# Altium PCB openmv-ae3.PcbDoc (part 4 of 7)
Units mil, origin at the board's own origin, x right, y up, seen from the top; angles counter-clockwise.
Board outline 1001 x 1001 mil, 8 copper layers (TOP, ART2, GND3, ART4, VCC5, GND6, ART7, BOTTOM), stack 65.6 mil thick; 246 components, 168 nets, 1013 pads, 1766 vias.
Unrouted connection lines stored in the file: 233.
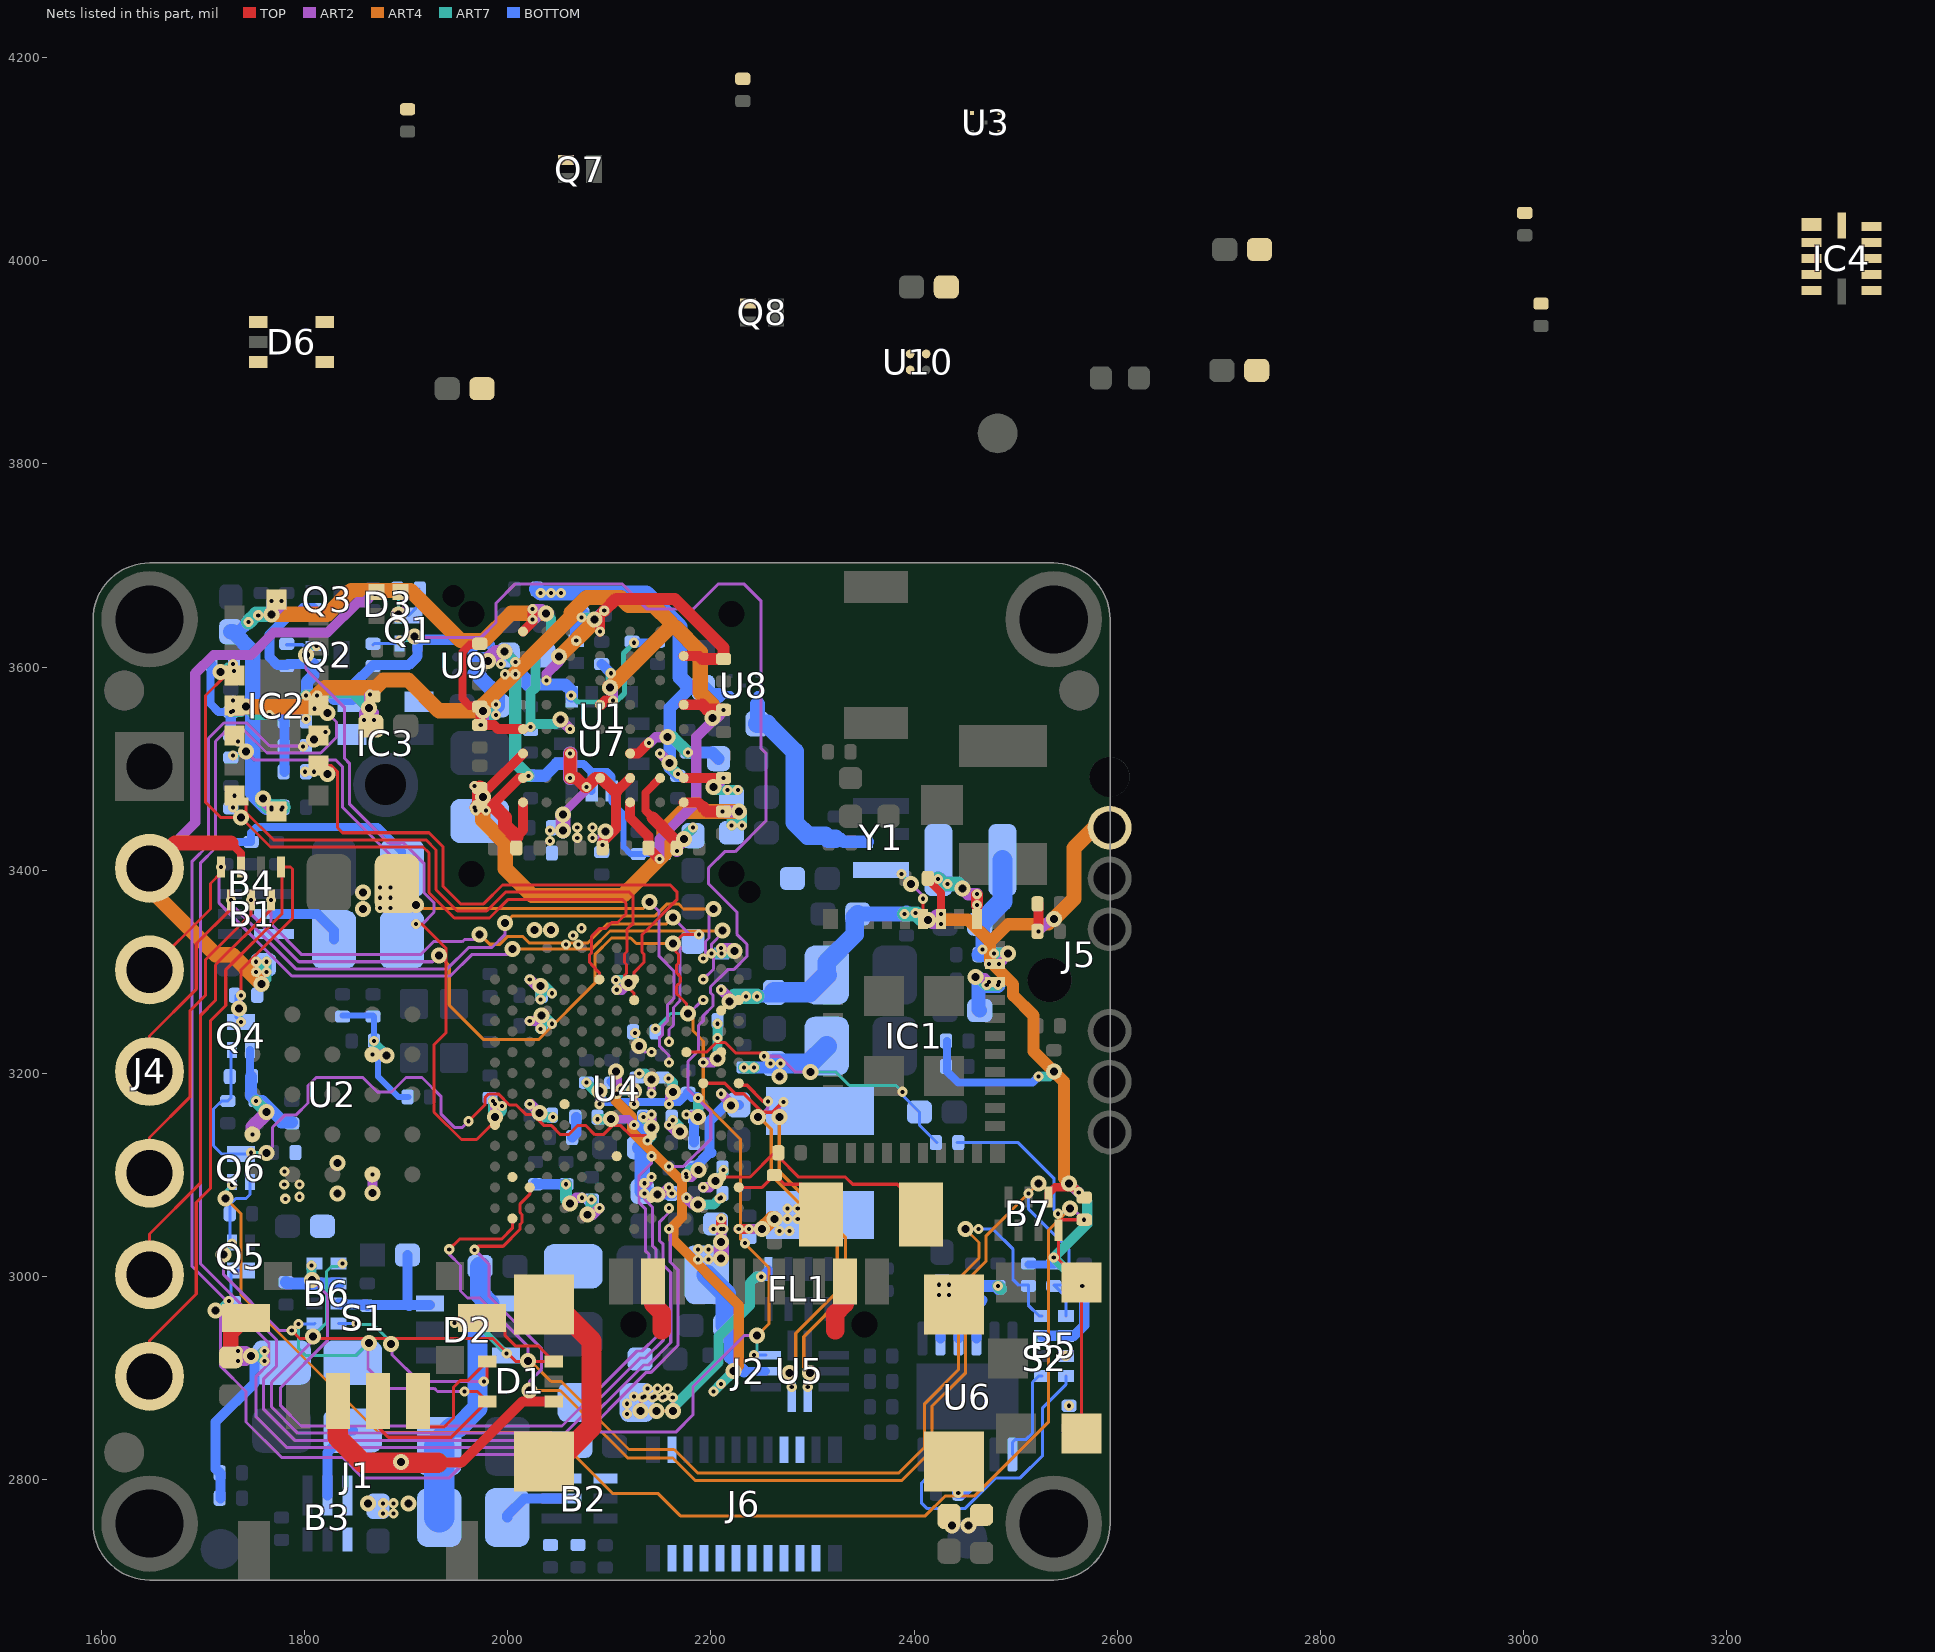
[diagram p10: the nets of this part, all layers, seen from the top]

## Via types
v1: diameter 10, hole 4, TOP to ART2, tented both sides, 779 vias
v2: diameter 10, hole 4, ART7 to BOTTOM, tented both sides, 590 vias
v3: diameter 15.75, hole 7.87, ART2 to ART7, 342 vias
v4: diameter 10, hole 4, ART7 to BOTTOM, tented bottom, 41 vias
v5: diameter 15.75, hole 7.87, TOP to BOTTOM, tented both sides, 13 vias
v6: diameter 10, hole 4, TOP to BOTTOM, tented both sides, 1 vias

## Nets (pads, with @x,y where several pads share a name; then routed paths per layer and width w, separated by ;. In a path a pad name is that pad's centre, name@x,y a point inside that pad or via, vN(x,y) a via of type N, cw(c..) or ccw(c..) an arc to the next point about the centre after c; other vN are vias at no path point) (continued)
LED_G_INT: Q2.2 R45.1 U4.A11 | length 660.1
  TOP w3: v1(1909.8,3346.98) 1909.87,3346.91 1915.58,3346.91 1939.44,3323.05 1939.44,3240.23 1927.44,3228.23 1927.44,3161.91 1954.44,3134.91 1969.44,3134.91 1983.8,3149.27 U4.A11@1987.44,3149.27
  ART2 w3: v3(1801.44,3611.91) 1801.44,3597.91 1839.44,3559.91 1839.44,3509.91 1844.44,3504.91 1844.44,3464.91 1882.44,3426.91 1897.44,3426.91 1917.44,3406.91 1917.44,3378.01 1927.44,3368.01 1927.44,3358.67 1915.75,3346.98 v1(1909.8,3346.98)
  ART7 w3: v3(1801.44,3611.91) 1810.3,3620.77 v2(1811.66,3620.77)
  BOTTOM w3: R45.1@1782.44,3621.91 1798.14,3621.91 1799.28,3620.77 Q2.2@1808.66,3620.77
LED_R: Q1.3 R43.1 | length 30.4
  BOTTOM w3: Q1.3@1902.44,3650.69 1912.44,3660.69 R43.1@1912.44,3676.91
LED_R_D: D3.3 R43.2 | length 44.1
  ART2 w3: v3(1892.44,3651.91) 1897.44,3656.91 v1(1897.44,3671.91)
  ART7 w3: v3(1892.44,3651.91) v2(1892.44,3673.91)
LED_R_INT: Q1.2 R44.1 U4.L7 | length 1113
  ART2 w3: v3(1908.44,3629.91) 1910.44,3629.91 1911.44,3628.91 1973.44,3628.91 1988.44,3643.91 1988.44,3662.91 2007.44,3681.91 2112.44,3681.91 2137.44,3656.91 2182.44,3656.91 2207.44,3681.91 2232.44,3681.91 2249.06,3665.29 2249.06,3520.29 2254.06,3515.29 2254.06,3448.53 2223.82,3418.29 2213.51,3418.29 2198.07,3402.85 2197.44,3401.91 2197.44,3386.91 2225.44,3358.91 2225.44,3337.06 2235.41,3327.09 2235.41,3315.19 2222.36,3302.14 2216.44,3302.14 2199.58,3285.28 2199.58,3279.4 2201.96,3277.02 2201.96,3266.43 2192.44,3256.91 2192.44,3251.91 2187.82,3247.29 2187.82,3222.29 2177.44,3211.91 2177.44,3184.42 2199.82,3162.04 2199.82,3135.29 2172.86,3108.33 v1(2158.7,3108.33)
  ART7 w3: v2(1893.58,3626.13) 1902.66,3626.13 1906.44,3629.91 v3(1908.44,3629.91)
  BOTTOM w3: R44.1@1867.44,3621.91 1868.66,3623.13 Q1.2@1893.58,3623.13
LFXO_N: C35.1 U4.P6 Y2.1 | length 238
  TOP w3: U4.P6@2210.08,3098.09 2238.62,3098.09 2262.44,3121.91 C35.1@2266.44,3121.91 2266.44,3117.91 2286.44,3097.91 2332.44,3097.91 2339.44,3090.91 2383.45,3090.91 2406.65,3067.71 Y2.1@2406.65,3060.91
LFXO_P: C34.1 U4.R5 Y2.2 | length 108
  TOP w3: U4.R5@2227.36,3087.92 2250.45,3087.92 C34.1@2262.44,3099.91 2263.44,3099.91 2272.44,3090.91 2288.43,3090.91 2308.23,3071.11 Y2.2@2308.23,3060.91
LPO_IN: IC1.37 Y1.3 | length 53
  TOP w3: IC1.37@2408.8,3352.07 v1(2408.8,3371.91)
  ART2 w3: v3(2397.12,3386.59) 2408.8,3374.91 v1(2408.8,3371.91)
  ART7 w3: v2(2387.44,3396.27) v3(2397.12,3386.59)
MIPI_R: R39.2 U4.J13 | length 38.9
  ART2 w8: v1(2124.45,3169.74) v3(2124.45,3182.9)
  ART7 w10: v2(2110.94,3184.91) 2112.95,3182.9 v3(2124.45,3182.9)
  BOTTOM w10: R39.2@2102.44,3191.91 2109.44,3184.91 v2(2110.94,3184.91)
P0: B4.7 IC4.7 J4.6 J6.2 | length 1013.3
  TOP w3: J4.6@1647.44,3001.91 1647.44,3041.91 1697.44,3091.91 1697.44,3256.91 1712.44,3271.91 1712.44,3306.91 1767.12,3361.59 v1(1767.12,3370.57) ; 2175.83,3261.87 2175.83,3268.9 2170.01,3274.72 2166.33,3278.41 2166.33,3286.28 2170.01,3289.96 2170.01,3294.71 2168.2,3296.52 2168.2,3297.01 2166.33,3298.88 2166.33,3306.75 2168.2,3308.62 2168.2,3316.99 2165.7,3319.49 2165.7,3330.16 2172.34,3336.8 v1(2188.18,3336.8)
  ART2 w3: v1(1767.12,3370.57) 1767.12,3347.03 1797.24,3316.91 1914.14,3316.91 1926.9,3329.67 1955.2,3329.67 1957.44,3331.91 1967.44,3331.91 v3(1972.44,3336.91) ; v3(2162.44,3353.55) 2179.19,3336.8 v1(2188.18,3336.8)
  ART4 w3: v3(1972.44,3336.91) 1982.18,3327.17 1992.18,3327.17 1999.92,3334.91 2014.44,3334.91 2021.05,3328.3 2078.81,3328.3 2097.68,3347.17 2156.06,3347.17 v3(2162.44,3353.55)
P0_INT: IC4.2 U4.E13
P1: B4.6 IC4.8 J4.5 J6.4 | length 984.7
  TOP w3: J4.5@1647.44,3101.91 1647.44,3136.91 1687.44,3176.91 1687.44,3261.91 1702.44,3276.91 1702.44,3311.91 1747.44,3356.91 v1(1747.44,3370.57)
  ART2 w3: v1(1747.44,3370.57) 1747.44,3356.81 1794.34,3309.91 1926.06,3309.91 v3(1932.44,3316.29) ; v1(2158.7,3231.16) 2158.7,3243.17 2163.07,3247.54 2163.07,3264.93 2169.44,3271.3 2169.44,3324.79 2166.44,3327.79 v3(2162.44,3327.79)
  ART4 w3: v3(1932.44,3316.29) 1942.44,3306.29 1942.44,3267.21 1976.35,3233.3 2030.34,3233.3 2085.69,3288.65 2085.69,3316.79 2102.19,3333.29 2121.05,3333.29 2126.55,3327.79 v3(2162.44,3327.79)
P1_INT: IC4.3 U4.B6
P2: B4.5 IC4.9 J4.4 J6.6 | length 794.9
  TOP w3: J4.4@1647.44,3201.91 1647.44,3236.91 1693.44,3282.91 1693.44,3327.91 1727.76,3362.23 v1(1727.76,3370.57)
  ART2 w3: v1(1727.76,3370.57) 1727.76,3366.59 1791.44,3302.91 1940.54,3302.91 1961.54,3323.91 1984.44,3323.91 1997.44,3336.91 v3(1997.44,3347.91) ; v1(2192.46,3313.11) 2194.58,3315.23 2194.58,3329.76 2198.06,3333.24 2198.06,3357.53 v3(2202.44,3361.91)
  ART4 w3: v3(1997.44,3347.91) 2004.7,3355.17 2145.14,3355.17 2156.9,3366.93 2167.98,3366.93 2173,3361.91 v3(2202.44,3361.91)
P2_INT: IC4.4 U4.H8
P3: B4.4 IC4.10 J4.3 J6.8 | length 768.6
  TOP w3: J4.3@1647.44,3301.91 1707.44,3361.91 1707.44,3386.91 1717.91,3397.38 v1(1717.91,3403.25)
  ART2 w3: v1(1717.91,3403.25) 1715.91,3401.25 1715.91,3367.56 1787.56,3295.91 1943.44,3295.91 1964.44,3316.91 1999.44,3316.91 v3(2004.83,3322.3) ; v1(2192.46,3292.64) 2202.44,3302.62 2202.44,3317.52 2200.58,3319.38 2200.58,3327.27 2211.44,3338.13 v3(2211.44,3340.91)
  ART4 w3: v3(2004.83,3322.3) 2082.71,3322.3 2100.58,3340.17 2210.7,3340.17 v3(2211.44,3340.91)
P3_INT: IC4.5 U4.K4
P6: D6.1 J6.14 U4.L19
P7: D6.3 J6.16 U4.M22
P8: D6.4 J6.18 U4.N27
P9: D6.5 J6.20 U4.N25
PDM_MIC_CLK: IC3.4 U4.P22
PDM_MIC_DATA: IC3.1 U4.R23
QWIIC_SCL: B6.8 D1.4 J1.4 J6.10 | length 326.8
  TOP w3: J1.4@1911.5,2877.71 1911.5,2862.85 1922.44,2851.91 1937.44,2851.91 1946.44,2860.91 1946.44,2890.91 1953.44,2897.91 1961.08,2897.91 D1.4@1979.76,2916.59 1979.76,2900.23 v1(1976.44,2896.91)
  ART2 w3: v3(1884.86,2933.78) 1885.96,2932.68 1885.96,2923.38 1912.43,2896.91 v1(1976.44,2896.91)
  ART7 w3: v2(1851.04,2953.72) 1851.71,2953.05 1867.44,2953.05 v3@1886.71,2933.78
  BOTTOM w3: B6.8@1833.67,2953.96 1833.91,2953.72 v2(1851.04,2953.72)
QWIIC_SCL_INT: B6.5 U4.K6 | length 780.7
  ART2 w3: v3(1808.17,2941.1) 1808.17,2937.65 1804.65,2934.13 1804.65,2933.12 1767.44,2895.91 1767.44,2871.91 1793.44,2845.91 2056.34,2845.91 2130.34,2919.91 2135.34,2919.91 2153.44,2938.01 2153.44,3001.11 2145.94,3008.61 2145.94,3026.91 2142.44,3030.41 2142.44,3068.39 2135.06,3075.77 2135.06,3086.04 2141.57,3092.55 v1(2141.57,3098.09)
  ART7 w3: v3(1808.17,2941.1) 1821.69,2954.62 1821.69,3005.04 1826.53,3009.88 1832.61,3009.88 1835.51,3012.78 v2(1837.41,3012.78)
  ART7 w6: v2(1837.41,3012.78) v2@1838,3012.19
QWIIC_SDA: B6.1 D1.5 J1.3 J6.12 | length 426.4
  TOP w3: J1.3@1872.12,2877.71 1872.12,2852.23 1882.44,2841.91 1944.44,2841.91 D1.5@1979.76,2877.22 1970.08,2886.91 v1(1957.44,2886.91)
  ART2 w3: v3@1860.39,2935.32 1862.3,2933.41 1862.3,2909.82 1882.04,2890.09 1927.64,2890.09 1930.82,2886.91 v1(1957.44,2886.91)
  ART7 w3: v2(1794.13,2953.26) 1794.13,2929.28 1800.83,2922.58 1850.96,2922.58 v3(1863.22,2934.84)
  BOTTOM w3: v2(1794.13,2953.26) 1809.35,2953.26 B6.1@1810.05,2953.96
QWIIC_SDA_INT: B6.4 U4.K8 | length 768.2
  ART2 w3: v3(1807.44,2996.91) 1822.44,2981.91 1822.44,2936.91 1776.44,2890.91 1776.44,2872.91 1796.44,2852.91 2053.44,2852.91 2127.44,2926.91 2132.44,2926.91 2146.44,2940.91 2146.44,2998.21 2138.94,3005.71 2138.94,3021.91 2135.44,3025.41 2135.44,3066.9 2129.06,3073.28 2129.06,3099.02 2141.57,3111.53 v1(2141.57,3118.56)
  ART7 w10: v2(1806.78,3010.81) 1806.78,2997.57 v3(1807.44,2996.91)
RECOVERY_MODE: D1.3 Q5.1 Q6.1 R56.2 S1.2 | length 559.8
  TOP w3: v1(1787.44,2946.91) 1795.44,2938.91 1985.44,2938.91 2007.76,2916.59 D1.3@2045.12,2916.59 2029.8,2931.91 2007.44,2931.91 1997.44,2941.91 1997.44,2946.91 1984.94,2959.41 S1.2@1974.58,2959.41
  ART2 w3: v3(1720.44,3021.91) 1720.44,3001.91 1775.44,2946.91 v1(1787.44,2946.91)
  ART7 w3: v3(1720.44,3021.91) 1728.58,3030.05 v2(1728.58,3032.69)
  BOTTOM w3: Q5.1@1728.58,3033.69 1726.44,3035.83 R56.2@1726.44,3061.91 1726.44,3070.91 1732.44,3076.91 1742.44,3076.91 1746.3,3080.77 Q6.1@1746.3,3093.13
RST_N: C37.2 Q4.2 Q6.3 R36.1 U4.K10 | length 683.5
  TOP w3: v1(1961.44,3152.91) 1977.44,3168.91 1977.44,3175.92 1981.44,3179.92 1990.71,3179.92 2001.62,3169.01 2008.51,3169.01 2018.1,3159.42 2024.99,3159.42 2035.87,3148.54 2043.23,3148.54 2052,3139.77 2059.88,3139.77 2068.65,3148.54 2077.01,3148.54 2085.78,3139.77 2094.14,3139.77 2102.91,3148.54 2111.26,3148.54 2120.76,3139.04 U4.K10@2141.57,3139.04
  ART2 w3: v3(1762.44,3121.91) 1768.44,3127.91 1768.44,3146.91 1780.44,3158.91 1791.44,3158.91 1803.44,3170.91 1803.44,3187.91 1811.44,3195.91 1857.44,3195.91 1871.68,3181.67 1885.69,3181.67 1899.93,3195.91 1915.68,3195.91 1934.44,3177.15 1934.44,3159.91 1947.44,3146.91 1955.44,3146.91 v1(1961.44,3152.91)
  ART7 w3: v2(1747.44,3121.91) v3(1762.44,3121.91)
  BOTTOM w3: Q4.2@1728.58,3223.13 1727.44,3221.99 1727.44,3196.91 1727.44,3175.91 C37.2@1724.44,3172.91 1718.44,3172.91 1710.44,3164.91 1710.44,3128.91 1718.66,3120.69 Q6.3@1737.44,3120.69 1746.22,3120.69 v2(1747.44,3121.91)
RST_N_EXT: B4.1 J4.7 J6.17 Q4.3 R54.1 | length 769.4
  TOP w3: J4.7@1647.44,2901.91 1647.44,2936.91 1693.44,2982.91 1693.44,3072.91 1707.44,3086.91 1707.44,3251.91 1722.44,3266.91 1722.44,3301.91 1777.97,3357.44 1777.97,3402.25 B4.1@1776.97,3403.25 1786.1,3403.25 1788.23,3401.12 1788.23,3352.7 1737.44,3301.91 v1(1737.44,3276.91)
  ART2 w3: v3(1735.44,3263.91) 1737.44,3265.91 v1(1737.44,3276.91)
  ART7 w3: v3(1735.44,3263.91) 1737.44,3261.91 v2(1737.44,3250.69)
  BOTTOM w3: R54.1@1732.44,3276.91 1732.44,3255.69 v2(1737.44,3250.69)
SEUART_RX: B5.1 U6.7 | length 97.4
  BOTTOM w3: U6.7@2496.73,2824.82 2496.73,2836.91 2499.73,2839.91 2510.44,2839.91 2516.44,2845.91 2516.44,2895.91 2522.91,2902.38 B5.1@2525.63,2902.38
SEUART_RX_INT: B5.4 R34.1 U4.B2 | length 1058.6
  TOP w3: v1(1942.44,3026.91) 1952.44,3036.91 1993.94,3036.91 2004.57,3047.54 U4.B2@2004.57,3057.15
  ART2 w3: v1(1942.44,3026.91) 1942.44,3021.91 1953.44,3010.91 1953.44,2985.91 1960.44,2978.91 1972.44,2978.91 2019.73,2931.62 v3(2019.73,2916.91)
  ART4 w3: v3(2019.73,2916.91) 2022.44,2916.91 2042.44,2896.91 2052.44,2896.91 2119.44,2829.91 2163.86,2829.91 2187.24,2806.53 2384.7,2806.53 2410.42,2832.25 2410.42,2874.99 2443.69,2908.26 2443.69,2998.06 2463.83,3018.2 2463.83,3033.52 v3(2450.44,3046.91)
  ART7 w3: v3(2450.44,3046.91) v2(2463.44,3046.91)
  BOTTOM w3: v2(2463.44,3046.91) 2477.44,3046.91 2497.44,3026.91 2497.44,2996.91 2502.44,2991.91 2512.44,2991.91 2512.44,2971.91 2522.91,2961.44 B5.4@2525.63,2961.44
SEUART_TX: B5.8 U6.10 | length 309.8
  BOTTOM w3: U6.10@2443.58,2824.82 2443.58,2805.05 2440.44,2801.91 2412.44,2801.91 2407.44,2796.91 2407.44,2776.91 2412.44,2771.91 2450.44,2771.91 2480.44,2801.91 2504.44,2801.91 2526.44,2823.91 2526.44,2870.91 2549.25,2893.72 B5.8@2549.25,2902.38
SEUART_TX_INT: B5.5 R35.1 U4.C5 | length 1190
  TOP w3: v1(1967.44,3026.41) 1970.94,3029.91 1995.44,3029.91 2011.94,3046.41 2011.94,3051.08 2014.07,3053.21 2014.07,3061.09 2012.19,3062.97 2012.19,3071.66 2021.69,3081.16 U4.C5@2021.69,3087.85
  ART2 w3: v1(1967.44,3026.41) 1981.44,3012.41 1981.44,2980.91 2033.44,2928.91 2033.44,2908.91 2021.44,2896.91 v3(2021.44,2887.91)
  ART4 w3: v3(2021.44,2887.91) 2051.54,2887.91 2117.78,2821.67 2162.2,2821.67 2184.34,2799.53 2388.06,2799.53 2417.42,2828.89 2417.42,2872.09 2450.69,2905.36 2450.69,2995.16 2470.83,3015.3 2470.83,3040.3 v3(2522.44,3091.91)
  ART7 w3: v2(2512.44,3081.91) v3(2522.44,3091.91)
  BOTTOM w3: v2(2512.44,3081.91) 2512.44,3066.91 2552.44,3026.91 2552.44,2996.91 2547.44,2991.91 2537.44,2991.91 2549.25,2980.1 B5.5@2549.25,2961.44
SHIELD: C52.1 J2.MP1 J2.MP2 J2.MP3 J2.MP4 R14.1 | length 207
  TOP w20: J2.MP3@2035.87,2818.01 2048.55,2818.01 2082.44,2851.9 2082.44,2936.91 2046.61,2972.74 J2.MP1@2035.87,2972.74
SR_VLX: IC1.34 L6.1 | length 79.9
  TOP w10: IC1.34@2461.95,3352.07 v1(2461.95,3365.91) ; v1@2461.95,3375.67 v1(2461.95,3376.42)
  TOP w12: v1(2461.95,3365.91) v1@2461.95,3375.67
  ART2 w12: v3(2447.44,3381.91) 2452.93,3376.42 v1(2461.95,3376.42) v1(2461.95,3365.91)
  ART7 w15: v2(2423.44,3391.4) 2428.44,3386.4 v2(2432.95,3386.4) 2443.44,3386.4 2447.44,3382.4 v3(2447.44,3381.91)
SW_1V2: B1.5 L10.1 | length 74.1
  BOTTOM w10: B1.5@1770.16,3356.91 1812.44,3356.91 1828.98,3340.37 L10.1@1828.98,3331.91
SW_1V8: B3.5 L9.1 | length 76.2
  BOTTOM w10: B3.5@1822.44,2784.63 1822.44,2826.91 1843.98,2848.45 L9.1@1847.44,2848.45
SW_3V3: B2.5 L8.1 | length 62.5
  BOTTOM w10: L8.1@1999.45,2762.96 1999.45,2764.99 2015.93,2781.47 B2.5@2053.05,2781.47
TOF_I2C_GPIO: IC2.C2 R28.1 U4.J25 | length 624.3
  TOP w3: v1(1809.44,3496.91) 1809.44,3498.91 1813.38,3502.85 1813.78,3502.85 1826.5,3502.85 1832.44,3496.91 1832.44,3441.91 1837.44,3436.91 1922.44,3436.91 1936.44,3422.91 1936.44,3383.91 1953.44,3366.91 1976.34,3366.91 1994.84,3385.41 2159.94,3385.41 2166.44,3378.91 2166.44,3370.91 2132.07,3336.54 2132.07,3319.38 2133.95,3317.5 2133.95,3309.11 2124.45,3299.61 U4.J25@2124.45,3292.58
  ART2 w3: v1(1809.44,3496.91) 1820.44,3496.91 v3(1822.44,3494.91)
  ART7 w3: v2(1800.44,3496.91) 1820.44,3496.91 v3(1822.44,3494.91)
TOF_I2C_INT: IC2.A3 R26.1 U4.L17 | length 706.9
  ART2 w3: v1(1734.44,3526.91) 1736.44,3524.91 1736.44,3522.91 v3(1742.44,3516.91) 1751.06,3508.29 1831.06,3508.29 1837.44,3501.91 1837.44,3461.91 1907.44,3391.91 1907.44,3368.29 v3(1909.82,3365.91) ; v3(2139.7,3368.65) 2149.06,3359.29 2149.06,3315.29 2163.44,3300.91 2163.44,3273.79 2157.07,3267.42 2157.07,3251.54 2152.44,3246.91 2152.44,3238.34 2149.2,3235.1 2149.2,3227.22 2158.7,3217.72 v1(2158.7,3210.69)
  ART4 w3: v3(1909.82,3365.91) 1913.56,3362.17 2133.22,3362.17 v3(2139.7,3368.65)
  ART7 w3: v2(1729.44,3512.91) 1738.44,3512.91 v3(1742.44,3516.91)
TOF_I2C_LPN: IC2.A5 R27.1 U4.G25 | length 765.7
  TOP w3: IC2.A5@1731.1,3591.44 1721.98,3591.44 1702.44,3571.9 1702.44,3466.91 1717.44,3451.91 1737.44,3451.91 1766.44,3422.91 1916.64,3422.91 1922.44,3417.11 1922.44,3377.91 1947.44,3352.91 1982.14,3352.91 2000.64,3371.41 2112.44,3371.41 2116.44,3367.41 2116.44,3356.91 2108.13,3348.6 2102.29,3348.6 2096.54,3342.85 2090.5,3342.85 2082.57,3334.92 2082.57,3318.86 2080.7,3316.99 2080.7,3309.12 2082.57,3307.24 2082.57,3306.78 2090.2,3299.15 U4.G25@2090.2,3292.58
  ART2 w3: v3(1717.44,3594.91) 1718.44,3595.91 v1(1730.44,3595.91)
  ART7 w3: v3(1717.44,3594.91) 1717.44,3596.91 1723.44,3602.91 v2(1729.44,3602.91)
TOF_I2C_PWR_EN: U3.3 U4.P18 U10.B2
TOF_I2C_RST: IC2.A1 IC2.A8 R31.2 U4.J23 | length 628.1
  TOP w3: v1(1731.1,3473.33) 1737.01,3467.42 IC2.A1@1739.43,3467.42 ; IC2.A8@1742.91,3467.42 IC2.A1@1739.43,3467.42 ; U4.J23@2124.45,3272.11 2124.45,3278.65 2116.82,3286.28 2116.82,3286.77 2114.95,3288.64 2114.95,3296.51 2116.82,3298.39 2116.82,3307.24 2114.95,3309.12 2114.95,3317.51 2117.44,3320 2117.44,3341.82 2123.44,3347.82 2123.44,3374.41 2119.44,3378.41 1997.74,3378.41 1979.24,3359.91 1950.44,3359.91 1929.44,3380.91 1929.44,3420.01 1919.54,3429.91 1769.44,3429.91 1742.44,3456.91 1742.44,3464.41 IC2.A1@1739.43,3467.42
  ART2 w3: v1(1731.1,3473.33) 1731.1,3458.25 v3(1737.44,3451.91)
  ART7 w3: v2(1729.44,3461.91) 1737.44,3453.91 v3(1737.44,3451.91)
TOF_I2C_SCL: IC2.C4 R30.1 U4.L3 | length 1499.1
  ART2 w3: v1(1809.78,3558.91) 1818.44,3558.91 v3(1822.44,3554.91) 1831.44,3545.91 1831.44,3530.91 1815.82,3515.29 1762.98,3515.29 1740.36,3537.91 1723.44,3537.91 1712.44,3526.91 1712.44,3421.91 1697.44,3406.91 1697.44,3012.91 1772.44,2937.91 1772.44,2911.91 1759.44,2898.91 1759.44,2869.91 1790.44,2838.91 2059.54,2838.91 2133.54,2912.91 2138.24,2912.91 2160.44,2935.11 2160.44,3004.01 2152.94,3011.51 2152.94,3031.91 2149.2,3035.65 2149.2,3053.67 2158.7,3063.17 v1(2158.7,3067.38)
  ART7 w3: v2(1801.44,3548.91) 1807.44,3554.91 v3(1822.44,3554.91)
TOF_I2C_SDA: IC2.C3 R29.1 U4.L1 | length 1448.4
  ART2 w3: v1(1820.44,3535.91) 1813.44,3528.91 v3(1809.44,3528.91) 1802.82,3522.29 1765.88,3522.29 1743.26,3544.91 1720.54,3544.91 1705.44,3529.81 1705.44,3424.91 1689.44,3408.91 1689.44,3009.91 1764.94,2934.41 1764.94,2914.41 1752.44,2901.91 1752.44,2861.91 1782.44,2831.91 2062.44,2831.91 2136.44,2905.91 2141.14,2905.91 2167.44,2932.21 2167.44,3006.91 2159.94,3014.41 2159.94,3045.67 v1(2158.7,3046.91)
  ART7 w3: v2(1798.44,3521.91) 1802.44,3521.91 v3(1809.44,3528.91)
USB_D_N: U4.N15 U5.6 | length 424.2
  TOP w3.4: U4.N15@2192.46,3190.28 2213.64,3190.28 2223.93,3179.99 2232.36,3179.99 2250.48,3161.87 2260.54,3161.87 2270.58,3171.91 v1(2271.44,3171.91)
  ART2 w3.4: v3(2267.44,3156.91) 2267.44,3167.91 v1(2271.44,3171.91)
  ART4 w3.4: v3(2267.44,3156.91) 2267.44,3103.23 2332.44,3038.23 2332.44,2981.91 2291.44,2940.91 2291.44,2910.91 v3(2297.44,2904.91)
  ART7 w3.4: v2(2295.31,2891.5) 2295.31,2902.78 v3(2297.44,2904.91)
USB_D_P: U4.R15 U5.7 | length 375.1
  TOP w3.4: U4.R15@2227.36,3190.28 2229.06,3188.58 2235.09,3188.58 2251.19,3172.48 2256.01,3172.48 v1(2256.1,3172.57)
  ART2 w3.4: v3(2246.44,3156.91) 2247.44,3156.91 2256.1,3165.57 v1(2256.1,3172.57)
  ART4 w3.4: v3(2246.44,3156.91) 2247.44,3156.91 2259.44,3144.91 2259.44,3099.91 2324.44,3034.91 2324.44,2985.23 2283.44,2944.23 2283.44,2910.91 v3(2277.44,2904.91)
  ART7 w3.4: v3(2277.44,2904.91) 2279.57,2902.78 v2(2279.57,2891.5)
USB_D_SEL: R18.1 U4.K18 | length 29.3
  ART2 w3: v3(2129.44,3226.91) 2135.42,3220.93 v1(2141.57,3220.93)
  ART7 w3: v2(2125.44,3239.91) 2125.44,3230.91 v3(2129.44,3226.91)
USB_D_SEL_FB: Q5.3 R18.2 R19.2 U4.N23 U5.10 | length 1220.6
  ART2 w3: v3(1712.44,2966.91) 1717.44,2961.91 1717.44,2911.91 1742.44,2886.91 1742.44,2856.91 1777.44,2821.91 1837.44,2821.91 1857.44,2801.91 1942.44,2801.91 1965.44,2824.91 2065.34,2824.91 2087.34,2846.91 2165.44,2846.91 2182.44,2863.91 2182.44,2891.91 2232.45,2941.92 v3(2245.44,2941.92) ; v3(2177.32,3259.03) 2178.32,3259.03 2191.46,3272.17 v1(2192.46,3272.17)
  ART4 w3: v3(2177.32,3259.03) 2182.44,3253.91 2182.44,3241.91 2192.44,3231.91 2192.44,3171.91 2229,3135.35 2229,3036.69 2257.06,3008.63 2257.06,2953.54 v3(2245.44,2941.92)
  ART7 w3: v3(1712.44,2966.91) 1721.44,2975.91 v2(1725.44,2975.91) ; v2(2145.44,3243.91) 2160.56,3259.03 v3(2177.32,3259.03) ; v2(2242.44,2922.66) 2245.44,2925.66 v3(2245.44,2941.92)
  BOTTOM w3: R19.2@1727.44,2978.91 1727.44,3003.13 1730.44,3006.13 Q5.3@1737.44,3006.13 ; v2(2242.44,2922.66) U5.10@2254.03,2922.66